# Altium PCB HMI_F767_V1.0_edited.PcbDoc (part 3 of 3)
Units mm, origin at the board's own origin, x right, y up, seen from the top; angles counter-clockwise.
Board outline 215.87 x 145.41 mm, 2 copper layers (Top Layer, Bottom Layer), stack 1.635 mm thick; 236 components, 218 nets, 1089 pads, 471 vias.
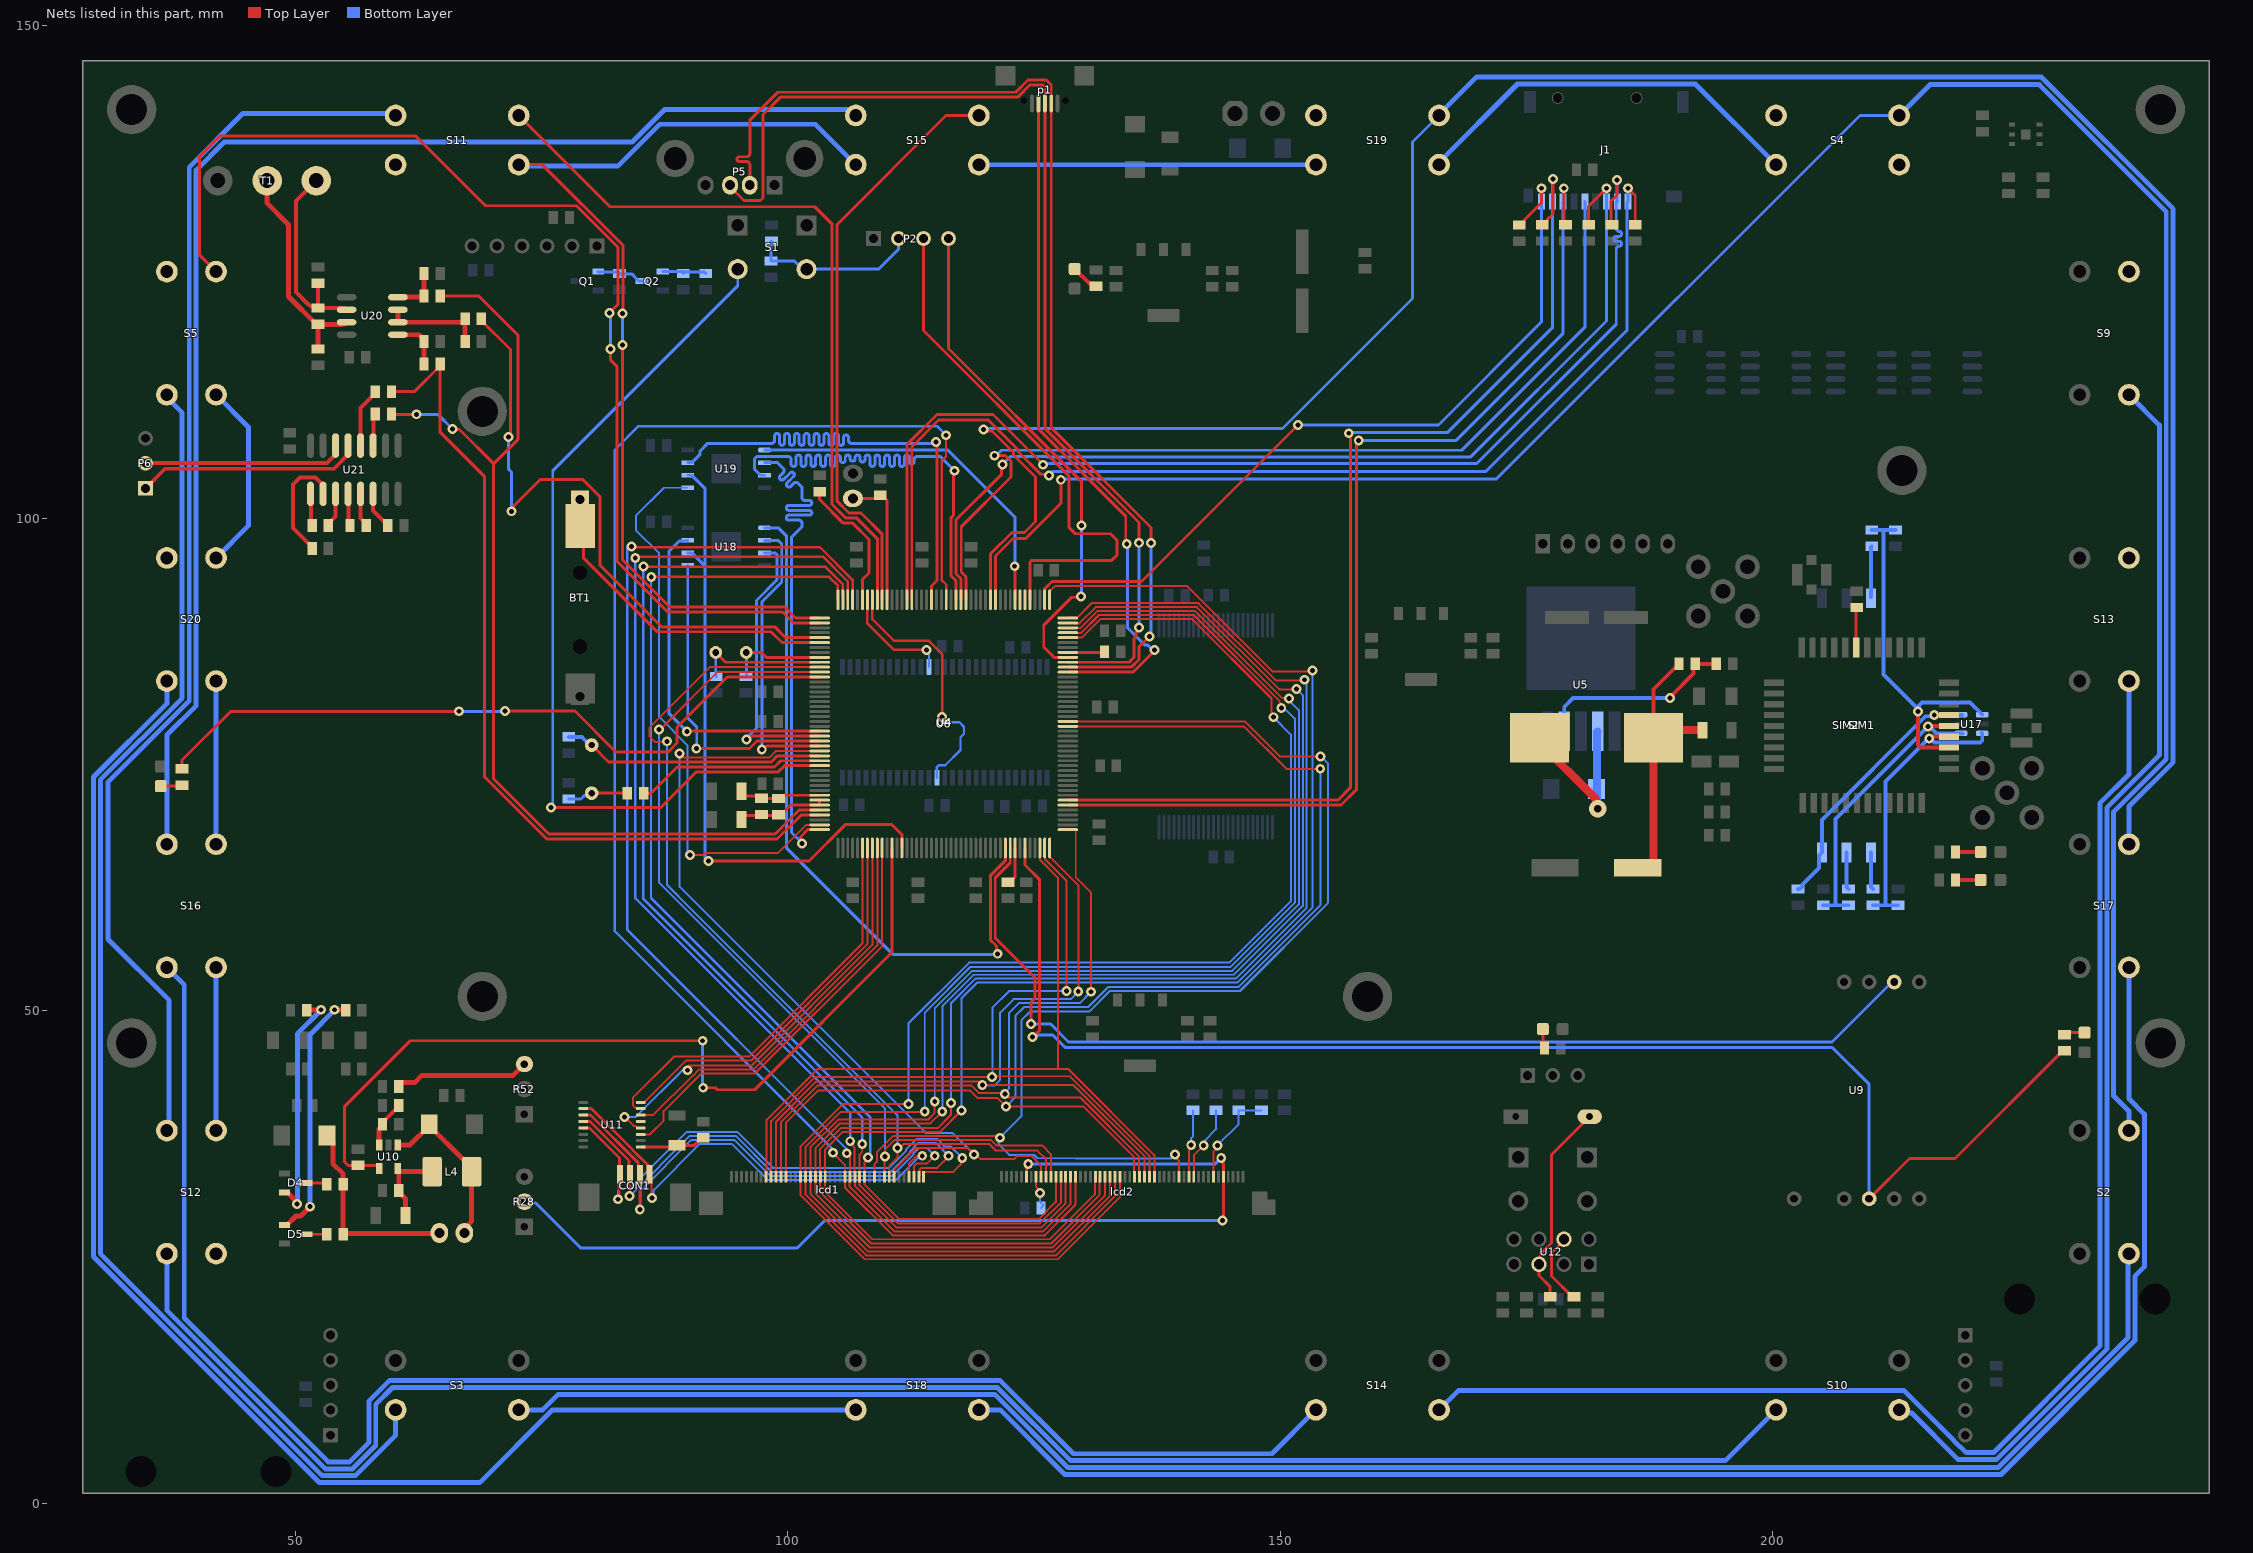
[diagram p3: the nets of this part, all layers, seen from the top]

## Via types
v1: diameter 1, hole 0.5, Top Layer to Bottom Layer, tented both sides, 454 vias
v2: diameter 1.8, hole 1, Top Layer to Bottom Layer, tented both sides, 10 vias
v3: diameter 1, hole 0.5, Top Layer to Bottom Layer, 5 vias
v4: diameter 1.8, hole 0.8, Top Layer to Bottom Layer, tented both sides, 2 vias

## Nets (pads, with @x,y where several pads share a name; then routed paths per layer and width w, separated by ;. In a path a pad name is that pad's centre, name@x,y a point inside that pad or via, vN(x,y) a via of type N, cw(c..) or ccw(c..) an arc to the next point about the centre after c; other vN are vias at no path point) (continued)
KEY_C3: S4.1 S11.1 S15.1 S19.1 U6.1 | length 182.6
  Top Layer w0.3: S11.1@72.698,135.89 75.092,135.89 83.3,127.682 83.3,120.85 v1(83.25,120.8) ; v1(83.25,117.575) 83.25,95.748 88.023,90.975 99.7,90.975 100.8,89.875 U6.1@103.25,89.875 ; S15.1@106.574,135.401 106.574,135.649 106.75,135.825 S15.1@107.05,135.825
  Bottom Layer w0.3: v1(83.25,117.575) v1(83.25,120.8)
  Bottom Layer w0.5: S11.1@72.5,136 72.75,135.75 82.765,135.75 87.015,140 102.806,140 S15.1@106.916,135.89 ; S15.1@119.25,135.75 119.5,135.75 119.64,135.89 S19.1@153.634,135.89 ; S19.1@166.05,136.025 174.105,144.08 192.162,144.08 S4.1@200.352,135.89
KEY_C4: S5.1 S12.1 S16.1 S20.1 U6.2 | length 168.5
  Top Layer w0.3: S5.1@41.97,125.035 40.3,126.705 40.3,136.725 42.376,138.801 62.249,138.801 69.325,131.725 78.55,131.725 82.775,127.5 82.775,121.725 v1(81.9,120.85) ; v1(82.029,117.181) 82.029,116.046 82.695,115.38 82.695,95.595 87.816,90.475 99.493,90.475 100.593,89.375 U6.2@103.25,89.375
  Bottom Layer w0.3: v1(81.9,120.85) 82.029,120.721 v1(82.029,117.181)
  Bottom Layer w0.5: S12.1@41.97,37.833 S16.1@41.97,54.4 ; S16.1@41.97,66.9 S20.1@41.97,83.468 ; S20.1@41.97,95.968 45.25,99.248 45.25,109.255 S5.1@41.97,112.535
KEY_R1: S2.2 S3.2 S4.2 S5.2 U6.144 | length 562
  Top Layer w0.3: U6.144@121.1,91.725 121.1,96.174 122.876,97.95 124.175,97.95 127.731,101.506 v1(127.731,103.9)
  Bottom Layer w0.3: v1(127.731,103.9) 127.806,103.975 171.95,103.975 208.865,140.89 S4.2@212.852,140.89
  Bottom Layer w0.5: S5.2@36.957,112.522 36.957,112.268 38.52,110.705 38.52,81.726 30.226,73.432 30.226,25.325 52.76,2.791 56.105,2.791 60.198,6.884 S3.2@60.198,9.478 ; S3.2@72.698,9.478 75.137,9.478 76.705,11.046 121.008,11.046 128.436,3.618 222.895,3.618 236.08,16.803 236.08,25.233 S2.2@236.18,25.333 ; S4.2@212.852,140.89 215.98,144.018 227.076,144.018 239.965,131.129 239.965,75.53 234.63,70.195 234.63,41.341 236.18,39.791 S2.2@236.18,37.833
KEY_R2: S9.2 S10.2 S11.2 S12.2 U6.168 | length 519.5
  Top Layer w0.3: S11.2@72.698,140.89 81.963,131.625 102.75,131.625 104.525,129.85 104.525,101.4 105.925,100 107.025,100 109.1,97.925 U6.168@109.1,91.725
  Bottom Layer w0.5: S12.2@36.97,25.333 36.97,19.571 53.05,3.491 55.815,3.491 58.181,5.857 58.181,10.048 59.879,11.746 121.298,11.746 128.726,4.318 195.192,4.318 S10.2@200.352,9.478 ; S12.2@36.97,37.833 37.211,38.074 37.211,51.054 30.988,57.277 30.988,73.204 39.243,81.459 39.243,135.636 44.704,141.097 S11.2@60.452,141.097 ; S10.2@212.852,9.478 213.177,9.153 214.113,9.153 218.839,4.427 222.714,4.427 233.93,15.643 233.93,70.608 239.265,75.943 239.265,109.45 S9.2@236.18,112.535
KEY_R3: S13.2 S14.2 S15.2 S16.2 U6.167 | length 511
  Top Layer w0.3: U6.167@109.6,91.725 109.6,98.375 107.442,100.533 106.217,100.533 105.025,101.726 105.025,129.825 116.09,140.89 S15.2@119.416,140.89
  Bottom Layer w0.5: S16.2@36.97,54.4 38.735,52.635 38.735,18.796 53.34,4.191 55.525,4.191 57.481,6.146 57.481,10.364 59.563,12.446 121.588,12.446 129.016,5.018 149.174,5.018 S14.2@153.634,9.478 ; S16.2@36.97,66.9 36.97,77.991 39.943,80.964 39.943,135.346 42.773,138.176 84.201,138.176 87.503,141.478 106.045,141.478 S15.2@106.807,140.716 ; S14.2@166.134,9.478 168.086,11.43 213.36,11.43 218.355,6.435 218.355,6.396 219.058,5.693 219.097,5.693 219.663,5.127 222.424,5.127 233.23,15.933 233.23,71.051 236.18,74.001 S13.2@236.18,83.468
KEY_R4: S17.2 S18.2 S19.2 S20.2 U6.145 | length 555.3
  Top Layer w0.3: v1(119.875,109.001) 120.009,108.867 120.76,108.867 122.942,106.685 122.942,106.429 125.175,104.196 125.175,99.673 124.052,98.55 122.769,98.55 120.6,96.381 U6.145@120.6,91.725
  Bottom Layer w0.3: v1(119.875,109.001) 119.879,109.005 119.991,109.005 120.086,109.1 150.248,109.1 163.45,122.302 163.45,138.206 S19.2@166.134,140.89
  Bottom Layer w0.5: S20.2@36.97,83.468 36.97,81.166 29.526,73.722 29.526,25.035 52.47,2.091 68.74,2.091 76.127,9.478 S18.2@106.916,9.478 ; S18.2@119.416,9.478 121.586,9.478 128.146,2.918 223.185,2.918 236.78,16.513 236.78,23.039 237.744,24.003 237.744,39.497 236.18,41.061 S17.2@236.18,54.4 ; S19.2@166.243,141.097 169.926,144.78 227.304,144.78 240.665,131.419 240.665,75.24 236.18,70.755 S17.2@236.18,66.9
L/R: lcd2.39 R35.1 | length 6.9
  Top Layer w0.2: lcd2.39@140.732,33.147 140.732,35.918 140.97,36.157 v1(140.97,36.373)
  Bottom Layer w0.2: v1(140.97,36.373) 140.97,37.072 141.16,37.263 R35.1@141.16,39.878
LCD_B3: lcd1.24 lcd2.16 U6.154 | length 166
  Top Layer w0.2: v1(104.6,35.575) 105.815,34.36 lcd1.24@105.815,33.147 lcd1.24@105.815,33.02 ; lcd1.24@105.815,32.97 105.815,32.049 110.667,27.197 126.107,27.197 129.232,30.322 lcd2.16@129.232,33.022
  Top Layer w0.25: v1(116.075,108.425) 116.075,106.272 115.625,105.822 115.625,93.737 116.1,93.262 U6.154@116.1,91.725
  Bottom Layer w0.25: v1(104.6,35.575) 104.6,35.925 82.45,58.075 82.45,106.928 84.872,109.35 115.15,109.35 v1(116.075,108.425)
LCD_B4: lcd1.25 lcd2.15 U6.173 | length 128.8
  Top Layer w0.2: v1(106,35.527) 106.105,35.527 106.315,35.317 lcd1.25@106.315,33.02 ; lcd1.25@106.265,33.02 106.265,32.593 106.299,32.559 106.299,32.131 110.833,27.597 125.941,27.597 128.732,30.388 lcd2.15@128.732,33.022
  Top Layer w0.25: v1(84.15,97.115) 84.215,97.05 103.275,97.05 106.59,93.735 106.59,91.735 U6.173@106.6,91.725
  Bottom Layer w0.25: v1(84.15,97.115) 84.085,97.05 83.925,97.05 83.779,96.904 83.7,96.904 83.7,58.233 106.105,35.828 106,35.723 v1(106,35.527)
LCD_B5: lcd1.26 lcd2.14 U6.174 | length 124.2
  Top Layer w0.2: v1(106.35,36.75) 106.35,36.551 106.8,36.101 106.8,33.162 lcd1.26@106.815,33.147 ; lcd1.26@106.815,33.02 106.84,32.995 106.84,32.18 111.023,27.997 125.775,27.997 128.232,30.454 lcd2.14@128.232,33.02
  Top Layer w0.25: v1(84.525,95.975) 84.65,96.1 103.589,96.1 106.1,93.589 U6.174@106.1,91.725
  Bottom Layer w0.25: v1(84.525,95.975) 84.525,61.425 106.35,39.6 v1(106.35,36.75)
LCD_B6: lcd1.27 lcd2.13 U6.175 | length 119.8
  Top Layer w0.2: v1(107.575,36.457) 107.575,35.656 107.315,35.396 lcd1.27@107.315,33.147 107.315,32.271 111.189,28.397 125.61,28.397 127.732,30.519 lcd2.13@127.732,33.02
  Top Layer w0.25: v1(85.376,95.101) 85.397,95.08 103.807,95.08 105.575,93.311 U6.175@105.575,92.075
  Bottom Layer w0.25: v1(85.376,95.101) 85.325,95.05 85.325,61.4 107.575,39.15 v1(107.575,36.457)
LCD_B7: lcd1.28 lcd2.12 U6.176 | length 116.1
  Top Layer w0.2: v1(108.15,35.1) 108.15,34.95 107.815,34.615 107.815,32.336 111.322,28.829 125.476,28.829 127.229,30.582 127.229,33.144 lcd2.12@127.232,33.147
  Top Layer w0.25: v1(86.15,94.05) 104.2,94.05 105.1,93.15 U6.176@105.1,91.725
  Bottom Layer w0.25: v1(86.15,94.05) 86.125,94.025 86.125,61.425 108.4,39.15 108.4,35.35 v1(108.15,35.1)
LCD_BKL: R33.2 U6.56 U10.4 | length 89
  Top Layer w0.3: U10.4@58.527,33.979 58.527,34.116 58.352,34.291 R33.2@56.388,34.291 55.373,34.291 55.025,34.639 55.025,40.293 61.682,46.95 v1(91.375,46.95) ; v1(91.425,42.175) 92.648,42.175 92.848,41.975 96.65,41.975 110.6,55.925 U6.56@110.6,66.525
  Bottom Layer w0.3: v1(91.375,46.95) 91.375,42.225 v1(91.425,42.175)
LCD_DCLK: lcd1.30 lcd2.37 U6.111 | length 128.9
  Top Layer w0.2: lcd1.30@108.815,33.147 108.815,34.415 109.05,34.65 109.05,35.643 110.675,37.268 120.817,37.268 120.828,37.257 121.394,37.257 v1(121.547,37.104) ; U6.111@128.45,79.375 146.391,79.375 149.941,75.825 v1(154.1,75.825) ; v1(139.319,35.394) 139.319,35.202 139.732,34.789 lcd2.37@139.732,33.147
  Bottom Layer w0.2: v1(121.547,37.104) 121.547,37.092 121.412,36.957 121.412,36.49 121.391,36.47 121.392,36.469 122.434,35.427 122.491,35.37 125.064,35.337 125.357,35.044 129.299,34.994 ccw(c129.301,35.194) 129.301,34.994 138.919,34.994 v1(139.319,35.394) ; v1@121.553,37.098 123.725,39.27 123.725,49.031 124.606,49.913 130.612,49.913 132.7,52 145.925,52 154.875,60.95 154.875,75.05 v1(154.1,75.825)
LCD_DE: lcd1.34 lcd2.9 U6.28 | length 88.2
  Top Layer w0.2: v1(89.025,76.1) 89.025,75.975 89.3,75.7 98.125,75.7 98.781,76.356 103.231,76.356 U6.28@103.25,76.375 ; lcd1.34@110.865,33.07 110.865,33.903 113.03,36.068 118.265,36.068 v1(118.931,35.402) 119.109,35.402 119.585,34.925 122.994,34.925 123.319,35.25 124.756,35.25 125.732,34.274 lcd2.9@125.732,33.147
  Bottom Layer w0.2: v1(89.025,76.1) 89.025,62.575 103.139,48.461 114,37.6 116.733,37.6 v1(118.931,35.402)
LCD_G2: lcd1.15 lcd2.25 U6.128 | length 155.9
  Top Layer w0.2: v1(112.268,40.513) 105.578,40.513 101.315,36.25 lcd1.15@101.315,33.147 101.315,31.261 107.811,24.765 127.415,24.765 133.732,31.081 lcd2.25@133.732,33.147 ; U6.128@128.45,87.875 129.875,87.875 131.775,89.775 141.047,89.775 149.125,81.697 149.125,80.317 149.172,80.27 149.172,79.953 v1(149.325,79.8)
  Bottom Layer w0.2: v1(112.268,40.513) 112.268,48.721 118.422,54.875 144.84,54.875 151.1,61.135 151.1,78.025 v1(149.325,79.8)
LCD_G3: lcd1.16 lcd2.24 U6.129 | length 156.3
  Top Layer w0.2: v1(113.919,39.751) 113.881,39.713 105.344,39.713 101.815,36.184 lcd1.16@101.815,33.147 101.815,31.327 107.977,25.165 127.25,25.165 133.232,31.147 lcd2.24@133.232,33.02 ; U6.129@128.925,88.325 129.759,88.325 131.609,90.175 141.212,90.175 149.95,81.437 149.95,81.267 149.967,81.25 149.967,80.889 149.95,80.872 v1@150.293,80.529
  Bottom Layer w0.2: v1(113.919,39.751) 113.919,49.807 118.562,54.45 144.981,54.45 151.5,60.969 151.5,79.654 150.279,80.875 150.293,80.861 v1@150.293,80.529
  other v1: 150.12,80.75
LCD_G4: lcd1.17 lcd2.23 U6.130 | length 155.8
  Top Layer w0.2: v1(114.935,40.767) 114.897,40.729 114.897,39.598 114.25,38.951 105.148,38.951 102.315,36.118 lcd1.17@102.315,33.147 102.315,31.393 108.143,25.565 127.084,25.565 132.732,31.213 lcd2.23@132.732,33.02 ; U6.130@128.45,88.875 129.744,88.875 131.444,90.575 141.378,90.575 150.224,81.729 v1@150.682,81.729
  Bottom Layer w0.2: v1(114.935,40.767) 114.935,50.257 118.728,54.05 145.147,54.05 151.9,60.803 151.9,80.511 v1@150.682,81.729
  other v1: 150.915,81.7
LCD_G5: lcd1.18 lcd2.22 U6.131 | length 154.9
  Top Layer w0.2: lcd1.18@102.815,32.716 102.815,31.458 108.308,25.965 126.918,25.965 132.232,31.279 lcd2.22@132.232,33.02 ; lcd1.18@102.815,33.02 102.815,36.053 105.313,38.551 114.497,38.551 v1(115.697,39.751) ; U6.131@129.075,89.325 129.628,89.325 131.278,90.975 141.544,90.975 149.89,82.629 151.654,82.629 v1(151.675,82.65)
  Bottom Layer w0.2: v1(115.697,39.751) 115.735,39.789 115.735,50.491 118.894,53.65 145.312,53.65 152.3,60.638 152.3,82.025 v1(151.675,82.65)
LCD_G6: lcd1.19 lcd2.21 U6.132 | length 156.1
  Top Layer w0.2: v1(116.586,40.64) 116.586,39.428 115.226,38.068 105.396,38.068 103.29,35.962 103.29,31.549 108.474,26.365 126.753,26.365 131.682,31.294 131.682,32.97 lcd2.21@131.732,33.02 ; U6.132@128.45,89.875 128.483,89.908 129.383,89.908 130.85,91.375 141.709,91.375 149.555,83.529 152.404,83.529 v1(152.475,83.6)
  Bottom Layer w0.2: v1(116.586,40.64) 116.586,50.777 119.059,53.25 145.478,53.25 152.7,60.472 152.7,83.159 152.475,83.384 v1(152.475,83.6)
LCD_G7: lcd1.20 lcd2.20 U6.133 | length 159.1
  Top Layer w0.2: v1(117.65,39.875) 115.443,37.668 105.562,37.668 103.8,35.906 103.8,33.162 lcd1.20@103.815,33.147 103.815,31.59 108.608,26.797 126.619,26.797 131.182,31.36 131.182,32.97 lcd2.20@131.232,33.02 ; U6.133@126.618,91.439 126.618,92.616 126.677,92.675 126.7,92.675 127.159,93.134 140.516,93.134 149.2,84.45 v1@153.075,84.45
  Bottom Layer w0.2: v1(117.65,39.875) 117.65,51.275 119.225,52.85 145.644,52.85 153.3,60.506 153.3,74.364 cw(c154.075,74.562) 153.275,74.562 153.275,84.525 v1(153.3,84.55)
LCD_HS: lcd1.32 lcd2.11 U6.12 | length 94.4
  Top Layer w0.2: v1(86.95,78.55) 87.05,78.55 92.875,84.375 U6.12@103.25,84.375 ; lcd1.32@109.815,33.147 v1@109.815,35.115 ; v1(109.895,35.195) 109.895,35.923 110.84,36.868 120.651,36.868 121.221,36.298 125.881,36.298 126.732,35.447 lcd2.11@126.732,33.147
  Bottom Layer w0.2: v1(86.95,78.55) 86.95,63 109.895,40.055 v1(109.895,35.195)
LCD_R3: lcd1.8 lcd2.32 U6.86 | length 76.3
  Top Layer w0.2: lcd1.8@97.865,33.147 97.865,38.914 103.033,44.082 127.5,44.082 127.575,44.082 128.488,44.082 137.232,35.338 lcd2.32@137.232,33.147 ; U6.86@125.6,66.525 125.619,66.506 125.619,65.326 127.425,63.521 127.425,44.082
LCD_R4: lcd1.9 lcd2.31 U6.87 | length 82.1
  Top Layer w0.2: lcd1.9@98.315,33.12 98.315,38.798 102.799,43.282 v1(120.752,43.282) ; v1@120.777,43.307 120.815,43.345 128.659,43.345 136.732,35.272 lcd2.31@136.732,33.147 ; U6.87@126.1,66.525 126.119,66.506 126.119,65.4 128.3,63.219 v1(128.3,52)
  Bottom Layer w0.2: v1(120.752,43.282) 120.777,43.307 120.777,50.292 122.485,52 v1(128.3,52)
LCD_R5: lcd1.10 lcd2.30 U6.88 | length 83.2
  Top Layer w0.2: lcd1.10@98.815,33.324 98.815,38.732 102.901,42.818 119.361,42.818 119.723,42.456 v1(119.761,42.456) ; v1@119.78,42.437 119.799,42.456 128.982,42.456 136.232,35.206 lcd2.30@136.232,33.147 ; U6.88@126.6,66.525 126.6,65.625 129.506,62.719 v1(129.506,51.953)
  Bottom Layer w0.2: v1(119.761,42.456) 119.799,42.418 121.019,42.418 121.577,42.976 121.577,49.802 122.95,51.175 128.729,51.175 v1(129.506,51.953)
LCD_R6: lcd1.11 lcd2.29 U6.89 | length 84
  Top Layer w0.2: lcd1.11@99.315,33.147 99.315,38.667 102.304,41.656 103.066,42.418 118.618,42.418 119.38,41.656 121.92,41.656 v1(122.047,41.529) 122.39,41.186 129.687,41.186 135.682,35.191 135.682,33.197 lcd2.29@135.732,33.147 ; U6.89@128.45,68.375 129.204,68.375 129.25,68.329 129.25,63.541 130.775,62.016 130.775,51.95 v1(130.8,51.925)
  Bottom Layer w0.2: v1(122.047,41.529) 122.047,41.668 122.488,42.109 122.488,49.788 123.475,50.775 129.65,50.775 v1(130.8,51.925)
LCD_R7: lcd1.12 lcd2.28 U6.110 | length 133.9
  Top Layer w0.2: lcd1.12@99.815,33.147 99.815,38.601 103.124,41.91 118.491,41.91 119.253,41.148 121.285,41.148 v1(122.174,40.259) 130.048,40.259 135.182,35.125 135.182,33.197 lcd2.28@135.232,33.147 ; U6.110@128.45,78.875 146.325,78.875 150.646,74.554 154.066,74.554 v1(154.075,74.562)
  Bottom Layer w0.2: v1(122.174,40.259) 123.12,41.205 123.12,49.495 124,50.375 130.5,50.375 132.525,52.4 145.759,52.4 154.075,60.716 v1(154.075,74.562) 153.983,74.342 v1@153.983,74.19
LCD_RST: C54.2 lcd2.44 R38.1 | length 10.1
  Top Layer w0.2: lcd2.44@143.232,33.147 143.232,34.66 143.218,34.674 143.218,35.687 143.637,36.106 v1(143.637,36.322)
  Bottom Layer w0.2: v1(143.637,36.322) 145.796,38.481 C54.2@145.796,39.878 R38.1@148.114,39.878
LCD_VS: lcd1.33 lcd2.10 U6.11 | length 94.7
  Top Layer w0.2: v1(87.75,77.35) 87.7,77.3 86.525,77.3 85.95,77.875 85.95,78.75 92.075,84.875 U6.11@103.25,84.875 ; lcd1.33@110.315,33.147 110.315,34.24 111.15,35.075 111.15,35.842 v1@111.288,35.98 ; v1(111.155,36.052) 111.216,36.052 v1@111.287,35.98 ; lcd2.10@126.232,33.147 126.232,34.931 125.363,35.8 121.154,35.8 120.486,36.468 111.776,36.468 v1@111.288,35.98
  Bottom Layer w0.2: v1(87.75,77.35) 87.75,62.775 90.175,60.35 111.084,39.441 111.155,39.37 v1(111.155,36.052)
LED1: R55.2 U6.13 | length 73.5
  Top Layer w0.3: R55.2@38.513,74.555 38.513,75.44 43.474,80.4 v1(66.65,80.4) ; v1(71.3,80.425) 78.4,80.425 82.55,76.275 87.877,76.275 88.775,77.173 88.775,78.775 93.875,83.875 U6.13@103.25,83.875
  Bottom Layer w0.3: v1(66.65,80.4) 71.275,80.4 v1(71.3,80.425)
max3232_RI: P6.1 U21.13 | length 22.9
  Top Layer w0.4: P6.1@34.8,103.035 36.79,105.025 53.92,105.025 55.37,106.475 U21.13@55.37,107.375
max3232_RO: R21.2 U21.12 | length 6.1
  Top Layer w0.4: U21.12@56.64,107.375 56.64,111.19 58.125,112.675 R21.2@58.125,112.85
max3232_TI: R57.2 U21.11 | length 3.3
  Top Layer w0.4: U21.11@57.91,107.375 57.967,107.432 57.967,110.417 R57.2@58.125,110.575
max3232_TO: P6.2 U21.14 | length 20.6
  Top Layer w0.4: P6.2@34.8,105.575 34.85,105.625 53.25,105.625 54.1,106.475 U21.14@54.1,107.375
MAX_DE: R63.1 U6.5 | length 64.5
  Top Layer w0.3: R63.1@68.9,120.25 68.9,120.075 71.85,117.125 71.85,108.425 v3(71.675,108.25) ; v3(71.95,100.701) 71.95,100.89 72.172,101.112 72.172,101.222 74.9,103.95 79.182,103.95 80.95,102.182 80.95,95.22 87.195,88.975 98.693,88.975 99.793,87.875 U6.5@103.25,87.875
  Bottom Layer w0.3: v3(71.675,108.25) 71.675,104.975 71.95,104.7 v3(71.95,100.701)
MAX_DI: R57.1 R64.1 U6.40 | length 104.5
  Top Layer w0.3: R57.1@59.775,110.575 59.8,110.55 v3(62.325,110.55) ; R64.1@64.725,122.55 68.639,122.55 72.6,118.589 72.6,107.973 70.15,105.523 ; v3(65.975,109.05) 66.023,109.002 66.671,109.002 70.15,105.523 ; U6.40@103.25,70.375 101.17,70.375 100.247,69.453 98.72,67.925 75.757,67.925 70.15,73.532 70.15,105.523
  Bottom Layer w0.3: v3(62.325,110.55) 64.475,110.55 v3(65.975,109.05)
MAX_RO: R21.1 R61.1 U6.41 | length 87.2
  Top Layer w0.3: R21.1@59.775,112.85 62.1,112.85 64.65,115.4 64.725,115.4 64.725,108.725 69.2,104.25 69.2,73.775 75.55,67.425 98.927,67.425 101.377,69.875 U6.41@103.25,69.875
MODE: lcd2.8 R29.1 | length 3.6
  Top Layer w0.2: lcd2.8@125.232,33.147 125.232,32.083 125.603,31.712 v1(125.603,31.496)
  Bottom Layer w0.2: v1(125.603,31.496) 125.603,30.606 125.983,30.226 R29.1@125.729,29.972
NetBT1_1: BT1.1 U6.6 | length 33.5
  Top Layer w0.3: BT1.1@78.925,99.212 BT1.1@78.925,101.912 ; BT1.1@79.25,99.212 79.25,95.975 86.75,88.475 98.314,88.475 99.414,87.375 U6.6@103.25,87.375
NetC8_2: C8.2 R4.2 Y1.2 | length 6.3
  Top Layer w0.3: Y1.2@80.1,72.085 83.59,72.085 R4.2@83.75,71.925
  Bottom Layer w0.3: C8.2@77.775,71.5 79.021,71.5 79.396,71.875 79.89,71.875 Y1.2@80.1,72.085
NetC9_1: C9.1 U6.29 Y1.1 | length 26.8
  Top Layer w0.3: Y1.1@80.1,76.965 81.815,75.25 98.325,75.25 98.95,75.875 U6.29@103.25,75.875
  Bottom Layer w0.4: C9.1@77.775,77.8 79.099,77.8 79.934,76.965 Y1.1@80.1,76.965
NetC11_1: C11.1 FB1.1 L1.2 R6.2 | length 28.5
  Top Layer w0.4: L1.2@187.918,77.724 187.918,82.635 190.05,84.767 190.225,84.767 190.5,85.042 R6.2@190.5,85.217
  Top Layer w0.8: C11.1@186.318,64.516 187.418,64.516 187.918,65.016 L1.2@187.918,77.724 188.68,78.486 FB1.1@192.877,78.486
NetC13_2: C13.2 U6.9 Y2.1 | length 10.3
  Top Layer w0.3: Y2.1@95.8,85.95 96.2,86.35 97.35,86.35 97.825,85.875 U6.9@103.25,85.875
  Bottom Layer w0.3: C13.2@95.775,83.925 95.8,83.95 Y2.1@95.8,86.375
NetC14_2: C14.2 U6.125 | length 3.6
  Top Layer w0.3: U6.125@128.45,86.375 131.975,86.375 C14.2@132.05,86.45
NetC15_2: C15.2 U6.81 | length 3.9
  Top Layer w0.3: C15.2@122.375,63.05 122.55,63.05 123.1,63.6 U6.81@123.1,66.525
NetC16_2: C16.2 U6.10 Y2.2 | length 13.4
  Top Layer w0.3: Y2.2@92.7,86.375 93.7,85.375 U6.10@103.25,85.375
  Bottom Layer w0.3: Y2.2@92.7,86.375 92.7,83.975 C16.2@92.75,83.925
NetC40_2: C40.2 SIM1.28 | length 4.1
  Top Layer w0.3: SIM1.28@208.488,86.852 208.488,90.886 C40.2@208.534,90.932
NetC47_1: C47.1 C48.2 D3.1 JP2.1 | length 20.5
  Top Layer w0.5: D3.1@53.227,37.338 53.827,36.738 53.827,34.473 54.863,33.437 C48.2@54.863,27.305 54.926,27.368 64.579,27.368 JP2.1@64.643,27.432
NetC47_2: C47.2 D4.3 | length 2.1
  Top Layer w0.3: D4.3@51.163,32.512 53.086,32.512 C47.2@53.213,32.385
NetC48_1: C48.1 D5.3 | length 2
  Top Layer w0.3: D5.3@51.163,27.305 C48.1@53.213,27.305
NetC52_1: C52.1 L4.2 L6.1 U10.5 | length 8.5
  Top Layer w0.5: U10.5@60.428,33.979 60.428,33.754 U10.5@60.515,33.667 ; L6.1@61.2,29.21 61.2,30.89 60.515,31.575 C52.1@60.515,31.75 U10.5@60.515,33.667 ; L4.2@63.913,33.655 60.527,33.655 U10.5@60.515,33.667